# Altium PCB galileo_cleaned.PcbDoc (part 6 of 10)
Units mil, origin at the board's own origin, x right, y up, seen from the top; angles counter-clockwise.
Board outline 4205 x 2835.09 mil, 6 copper layers (TOP, PWR, LYR_1, LYR_2, GND, BOTTOM), stack 80.1 mil thick; 533 components, 432 nets, 2101 pads, 1155 vias.
Unrouted connection lines stored in the file: 669.
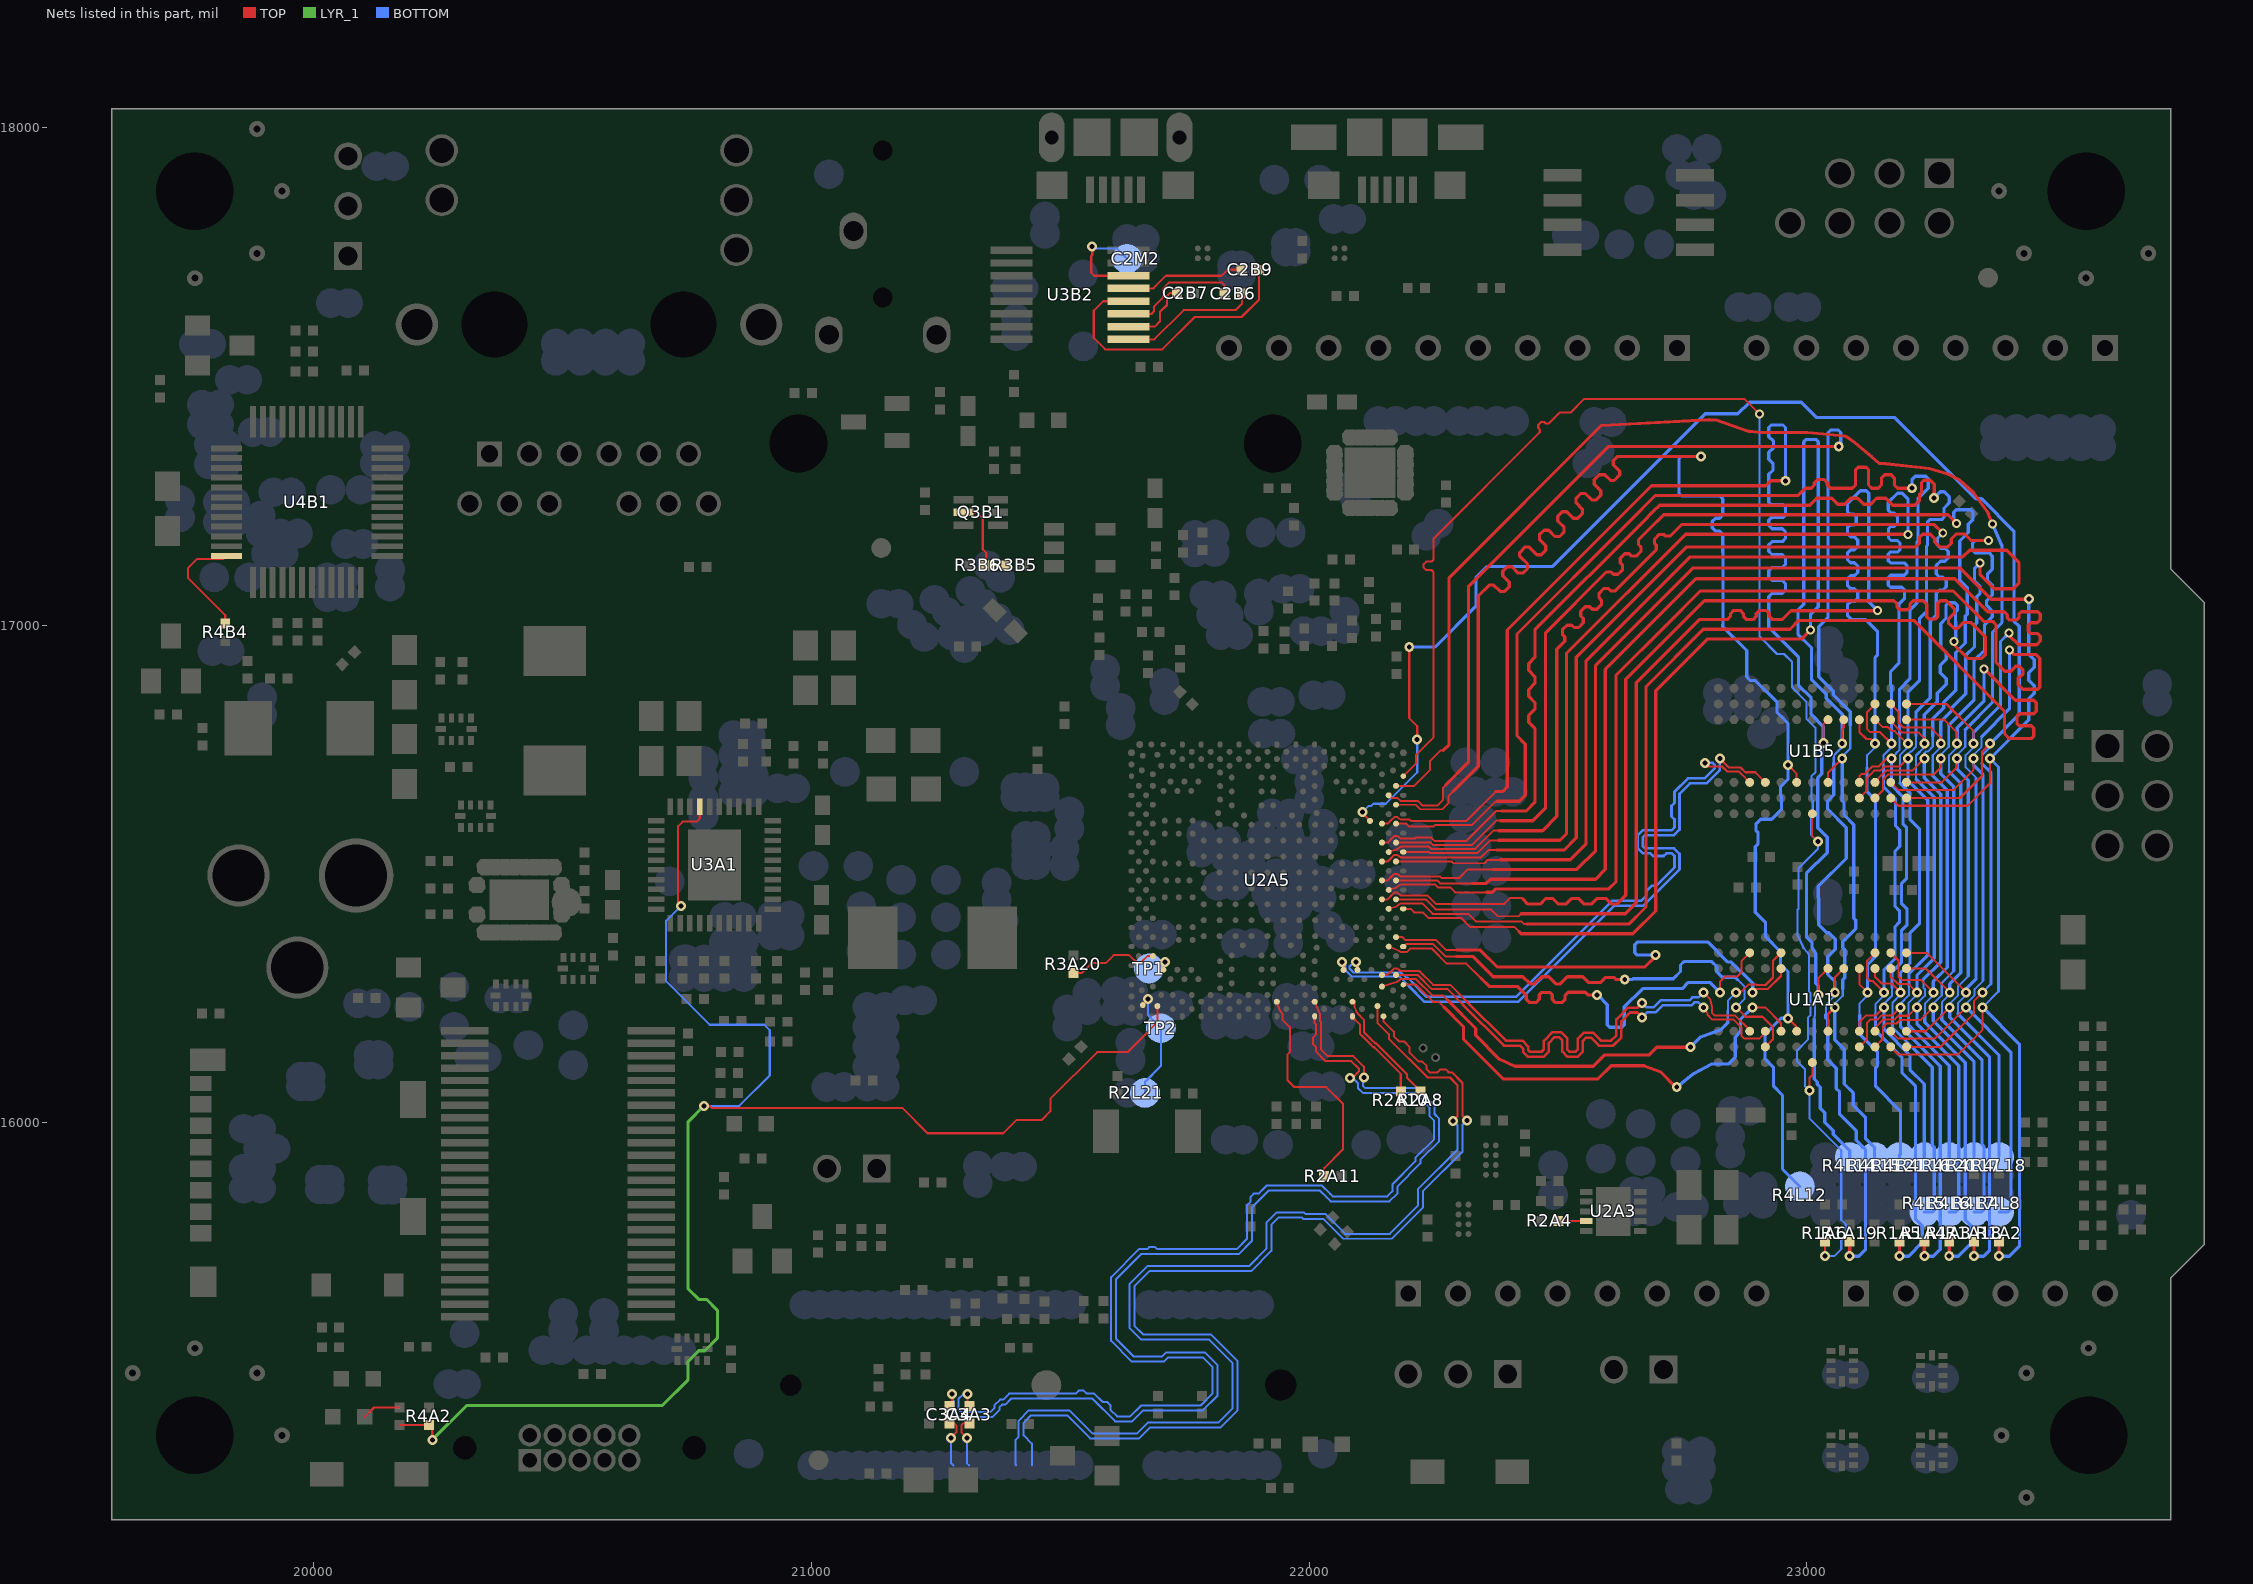
[diagram p10: the nets of this part, all layers, seen from the top]

## Via types
v1: diameter 20, hole 10, TOP to BOTTOM, 1096 vias
v2: diameter 18, hole 10, TOP to BOTTOM, 43 vias
v3: diameter 25, hole 25, TOP to BOTTOM, 16 vias

## Nets (pads, with @x,y where several pads share a name; then routed paths per layer and width w, separated by ;. In a path a pad name is that pad's centre, name@x,y a point inside that pad or via, vN(x,y) a via of type N, cw(c..) or ccw(c..) an arc to the next point about the centre after c; other vN are vias at no path point) (continued)
M_DQ<11>: U1A1.C8 U2A5.AP10 | length 998.9
  TOP w4: U2A5.AP10@22159.74,16353.97 22180.19,16345.57 22184.03,16342.97 22195.97,16342.97 22203,16350 22246.68,16350 22276.68,16320 22315.84,16320 22344.92,16290.92
  TOP w4.2: v1(22825,16262) 22825,16283 22836,16294 22860,16294 22869,16303 22869,16325.47 U1A1.C8@22885.02,16341.49
  TOP w6.5: 22344.92,16290.92 22361.84,16274 22418.12,16274 22436.22,16255.9 22436.22,16248 22442.72,16241.5 22455.72,16241.5 22462.22,16248 22462.22,16257 22467.22,16262 22483.22,16262 22488.22,16257 22488.22,16248 22494.72,16241.5 22507.72,16241.5 22514.22,16248 22514.22,16255.9 22520.72,16262.4 22554.34,16262.4 22559.74,16257 v1(22578,16257)
  BOTTOM w6.5: v1(22578,16257) 22579.4,16257 22599,16237.4 22599,16197 22604,16192 22628,16192 22633,16197 22633,16233 22669.75,16269.75 22749.75,16269.75 22762,16282 22805,16282 v1(22825,16262)
M_DQ<12>: U1A1.E3 U2A5.AT5 | length 1007.2
  TOP w4: U2A5.AT5@22189.07,16277.46 22214.54,16277.46 22249,16243 22260,16243 22271,16232
  TOP w4.2: v1(22891,16232) 22916.12,16232 22948.01,16200.11 U1A1.E3@22948.01,16184.01
  TOP w6.5: 22271,16232 22310,16193 22310,16167.58 22389.58,16088 22580,16088 22606.5,16114.5 22673,16114.5 22706,16102 22736.5,16071.5 v1(22738.5,16071.5)
  BOTTOM w6.5: v1(22738.5,16071.5) 22770.92,16098.02 22809,16118 22842,16118 22856,16132 22856,16172 22866.5,16182.5 22866.5,16207.5 v1(22891,16232)
M_DQ<13>: U1A1.E8 U2A5.AN5 | length 1020.5
  TOP w4: U2A5.AN5@22146.18,16273.62 22159.74,16277.96 22175.7,16282.91 22179.7,16286.11 22184.33,16288.96 22214.36,16288.96 22247.32,16256 22268,16256 22278,16246
  TOP w4.2: v1(22858,16262) 22867,16262 22883.1,16278.1 22897.67,16278.1 22898.87,16276.9 22916.9,16276.9 22932,16292 22932,16325.48 U1A1.E8@22948.01,16341.49
  TOP w6.5: 22278,16246 22334.5,16189.5 22334.5,16175.5 22382,16128 22414,16113.5 22570.5,16113.5 22593,16136 22682.49,16136 22698.49,16152 v1(22766,16152)
  BOTTOM w4.2: 22841,16203 22841,16225.23 22841.1,16225.33 22841.1,16245.1 v1(22858,16262)
  BOTTOM w6.5: v1(22766,16152) 22786.5,16172.5 22827,16187 22841,16201 22841,16203
M_DQ<14>: U1A1.D2 U2A5.AT10 | length 984.1
  TOP w4: U2A5.AT10@22189.07,16353.97 22194.1,16359 22249,16359 22274,16334 22295,16334
  TOP w4.2: v1(22858,16232) 22876.88,16213.12 22910.88,16213.12 22932,16192 22932,16168 U1A1.D2@22916.51,16152.51
  TOP w6.5: 22295,16334 22329.42,16334 22369.92,16293.5 22429.21,16293.5 22443.71,16279 22452.31,16279 22466.81,16293.5 22481.21,16293.5 22495.71,16279 22504.31,16279 22518.81,16293.5 22549.4,16293.5 22560.9,16282 22586,16282 22596,16292 22611.74,16292 22615.74,16288 v1(22634,16288)
  BOTTOM w4: v1(22858,16232) 22875,16249 22875,16273 22860,16288
  BOTTOM w6.5: v1(22634,16288) 22649.42,16288 22650.67,16289.25 22731.25,16289.25 22746,16304 22746,16317 22753,16324 22809,16324 22819,16314 22819,16303.5 22830,16292.5 22855.5,16292.5 22860,16288
M_DQ<15>: U1A1.E7 U2A5.AR11 | length 994.9
  TOP w4: U2A5.AR11@22174.41,16372.98 22187.41,16372.98 22193.39,16367 22255,16367 22275,16347 22296,16347
  TOP w4.2: v1(22891,16262) 22897.7,16268.7 22921.7,16268.7 22948.01,16295.01 U1A1.E7@22948.01,16309.99
  TOP w6.5: 22296,16347 22344,16347 22378,16313 22674,16313 22696,16335 v1(22696,16337)
  BOTTOM w6.5: v1(22696,16337) 22659,16337 22654,16342 22654,16358 22659,16363 22801.4,16363 22841.4,16323 22848.26,16323 22891,16280.26 v1(22891,16262)
M_DQS<0>: U1B5.C3 U2A5.AK7 | length 1358.7
  TOP w4.2: v1(22795,16723) 22792,16720 22796.1,16715.9 22829.5,16715.9 22839.6,16705.8 22863.24,16705.8 22869.04,16700 22884.52,16684.52 U1B5.C3@22885.02,16684.01
  TOP w5.3: v1(22094.2,16323) 22096.96,16320.24 U2A5.AK7@22096.96,16307.24
  BOTTOM w4: v1(22094.2,16323) 22090,16323 22081,16314 22081,16310 22089,16302 22184.32,16302 22194.74,16291.58 22197.58,16291.58 22207.08,16282.07
  BOTTOM w5.3: 22207.08,16282.07 22236.15,16253 22415.54,16253 22608.54,16446 22667,16446 22677,16456 22677,16465 22688,16476 22697,16476 22734,16513 22734,16536.21 22728.7,16541.51 22717.55,16541.51 22712.05,16536 22690.85,16536 22685.35,16541.51 22670.85,16541.51 22660,16552.36 22660,16577.16 22670.85,16588.01 22728.7,16588.01 22734,16593.31 22734,16609.61 22728,16615.61 22728,16636.81 22734,16642.81 22734,16665.15 22760.85,16692 22794,16692 22815,16713 22815,16718.45 22810.23,16723.22 22795.22,16723.22 v1(22795,16723)
M_DQS<1>: U1A1.C3 U2A5.AN6 | length 1021.3
  TOP w4: U2A5.AN6@22146.18,16296.96 22155.98,16296.96 22166.49,16306.01 22167.86,16307.06 22171.01,16310.22 22177.31,16310.22 22179.95,16307.82 22184.18,16304.96 22221,16304.96 22248.96,16277 22283.15,16277 22316.08,16244.07 ; v1(22792,16262) 22805,16249 22808.9,16234 22808.9,16221.1 22814.49,16215.51 22855.95,16215.51 22885.02,16186.44 U1A1.C3@22885.02,16184.01
  TOP w5.3: 22316.08,16244.07 22395.25,16164.9 22428.15,16164.9 22440,16153.05 22440,16146.15 22443.75,16142.4 22466.25,16142.4 22471.61,16147.76 22471.61,16164.54 22489.07,16182 22506.41,16182 22518.47,16169.94 22518.47,16147.15 22522.62,16143 22535.52,16143 22539.67,16147.15 22539.67,16168.94 22551.73,16181 22570.07,16181 22586.17,16164.9 22606.75,16164.9 22617,16175.15 22617,16207.65 22640.85,16231.5 22659.5,16231.5 v1(22669,16241)
  BOTTOM w5.3: v1(22669,16241) 22678,16232 22692,16232 22706,16246 22763.85,16246 22769.85,16252 22782,16252 v1(22792,16262)
M_DQS_N<0>: U1B5.D3 U2A5.AH7 | length 1360.5
  TOP w4.2: v1(22825,16732) 22843,16714 22866.64,16714 22876.32,16704.32 22896.2,16704.32 U1B5.D3@22916.51,16684.01
  TOP w5.3: v1(22066.2,16323) 22068.96,16320.24 U2A5.AH7@22068.96,16307.24
  BOTTOM w4: v1(22066.2,16323) 22073,16316.2 22073,16306 22085,16294 22181,16294 22200,16275
  BOTTOM w5.3: 22200,16275 22232,16243 22419.69,16243 22612.69,16436 22671.14,16436 22676.57,16441.43 ; 22676.58,16441.43 22744,16508.85 22744,16540.36 22732.85,16551.51 22675,16551.51 22670,16556.51 22670,16573.01 22675,16578.01 22732.85,16578.01 22744,16589.16 22744,16661 22765,16682 22798.15,16682 22825,16708.85 v1(22825,16732)
M_DQS_N<1>: U1A1.D3 U2A5.AR6 | length 1020
  TOP w4: U2A5.AR6@22174.41,16296.96 22181.03,16296.97 22217.68,16296.96 22245.64,16269 22277,16269 22309,16237 ; v1(22792,16232) 22792,16228.7 22800.7,16220 22800.7,16216.61 22810,16207.31 22852.69,16207.31 22869,16191 22869,16174 22874,16169 22904,16169 22916.51,16181.51 U1A1.D3@22916.51,16184.01
  TOP w5.3: 22309,16237 22391.1,16154.9 22424,16154.9 22430,16148.9 22430,16142 22439.6,16132.4 22470.4,16132.4 22481.61,16143.61 22481.61,16160.39 22493.22,16172 22502.26,16172 22508.47,16165.79 22508.47,16143 22518.47,16133 22539.67,16133 22549.67,16143 22549.67,16164.79 22555.88,16171 22565.92,16171 22582.02,16154.9 22610.9,16154.9 22627,16171 22627,16203.5 22645,16221.5 22659.5,16221.5 v1(22669,16212)
  BOTTOM w5.3: v1(22669,16212) 22679,16222 22696.15,16222 22710.15,16236 22768,16236 22774,16242 22782,16242 v1(22792,16232)
M_DRAMRST_N: U1A1.N2 U1B5.N2 U2A5.AL25 | length 3416.9
  TOP w4.2: v1(22107.2,16624.65) 22107.2,16621.65 U2A5.AL25@22122.2,16606.65 ; v1(22201,16956) 22201,16813 22217,16797 v1(22217,16770) ; U1A1.N2@23199.98,16152.51 23268.51,16152.51 23336.1,16220.1 23336.1,16245.1 v1(23353,16262) ; U1B5.N2@23199.98,16652.51 23307.51,16652.51 23351.9,16696.9 23351.9,16745.9 v1(23368,16762)
  BOTTOM w4.2: v1(22107.2,16624.65) 22119.3,16636.75 22124.98,16636.75 22129.23,16641 22154,16641 22217,16704 v1(22217,16770) ; 23351.9,16723 23351.9,16738.67 23368,16754.77 v1(23368,16762) ; v1(23353,16262) 23370,16279
  BOTTOM w6.5: v1(22201,16956) 22253,16956 22335,17038 22335,17095 22358,17118 22489,17118 22795.5,17424.5 22861.5,17424.5 22885,17448 22989,17448 23020,17417 23176.58,17417 23339.57,17254 23351,17254 23416,17189 23416,17008 23426.5,16997.5 23426.5,16820.5 v1(23368,16762) ; 23351.9,16723 23351.9,16721.1 23370,16703 23370,16279
M_MA<0>: R4L16.1 U1A1.K3 U1B5.K3 U2A5.AR24 | length 3357.3
  TOP w4: U2A5.AR24@22174.41,16601.02 22195,16601.02 22201.02,16595 22249.37,16595 22252.37,16598 22327,16598 22375,16646 22378,16646
  TOP w4.2: U1A1.K3@23105.49,16184.01 23105.49,16202.49 23118.9,16215.9 23138.9,16215.9 v1(23155,16232) ; U1B5.K3@23105.49,16684.01 23105.49,16696 23110.49,16701 23116.7,16701 23131.6,16715.9 23144.2,16715.9 23160.3,16732 v1(23170,16732)
  TOP w6.5: 22378,16646 22422,16646 22434,16658 22434,16761 22417.45,16777.55 22417.45,16982.11 22640.34,17205 22643.63,17208.3 22695.83,17260.5 22982.5,17260.5 22997,17275 23008.5,17275 23015,17281.5 23015,17286 23021.5,17292.5 23034.5,17292.5 23041,17286 23041,17281.5 23047.5,17275 23091.33,17275 23097.83,17281.5 23097.83,17312 23102.83,17317 23118.83,17317 23123.83,17312 23123.83,17281.5 23130.33,17275 23143.33,17275 23149.83,17281.5 23149.83,17295.5 23156.33,17302 23169.33,17302 23175.83,17295.5 23175.83,17281.5 23182.33,17275 v1(23211,17275)
  BOTTOM w4.2: v1(23155,16232) 23155,16239.23 23171.1,16255.33 23171.1,16271 ; v1(23170,16732) 23178.7,16740.7 23178.7,16742.07 23186.32,16749.69 23186.32,16778
  BOTTOM w6.5: v1(23155,16232) 23155,16188 23207,16136 23207,16107 23236,16078 R4L16.1@23236,15931 ; v1(23170,16732) 23170,16678 23193,16655 23193,16601 23200,16594 23200,16490 23190,16480 23190,16441 23201,16430 23201,16397 23190,16386 23190,16322 23171.1,16303.1 23171.1,16271 ; 23186.32,16778 23186.32,16871.32 23207,16892 23207,17030 23221,17044 23221,17167 23223,17169 23223,17254 23244,17275 23244,17294 23239,17299 23217.58,17299 23211,17292.42 v1(23211,17275)
M_MA<1>: R4L5.1 U1A1.L7 U1B5.L7 U2A5.AN22 | length 3528
  TOP w4: U2A5.AN22@22146.18,16563.02 22157.4,16563.02 22166.3,16571.92 22167.86,16573.13 22171.01,16576.28 22177.31,16576.28 22179.95,16573.88 22183.75,16571.08 22183.83,16571.02 22213,16571.02 22214.98,16573 22245.37,16573 22252.37,16566 22315,16566 22375.5,16626.5 22387,16626.5 ; U1B5.L7@23136.98,16809.99 23151.98,16794.99 23163.01,16794.99 23171,16787 23176.54,16787 23201.54,16762 v1(23203,16762)
  TOP w4.2: U1A1.L7@23136.98,16309.99 23136.98,16293.02 23150,16280 23170,16280 v1(23188,16262)
  TOP w6.5: 22387,16626.5 22436,16626.5 22453.5,16644 22453.5,16792.47 22441,16804.97 22441,16818.47 22453.5,16830.97 22453.5,16844.47 22441,16856.97 22441,16870.47 22453.5,16882.97 22453.5,16896.47 22441,16908.97 22441,16922.47 22453.5,16934.97 22453.5,16990.58 22668.92,17206 22692.49,17229.58 22703.91,17241 23006,17241 23020,17255 23049.87,17255 23061.87,17243 23075.87,17243 23087.87,17255 23101.87,17255 23113.87,17243 23127.87,17243 23139.87,17255 23158.74,17255 23172.74,17241 23217,17241 23226,17250 23226,17262.42 23230.5,17266.92 23230.5,17286.5 23235.1,17291.1 23247.9,17291.1 23256,17283 23256,17256 v1(23255,17255)
  BOTTOM w4: 23172,16217 23172,16241 23188,16257 v1(23188,16262)
  BOTTOM w4.2: 23186.9,16683.1 23186.9,16738.67 23203,16754.77 v1(23203,16762)
  BOTTOM w6.5: 23172,16217 23172,16191.4 23252,16111.4 23252,15955 23256,15951 23256,15824 23253,15821 R4L5.1@23236,15821 ; 23186.9,16683.1 23207,16663 23207,16610 23226,16591 23226,16400 23207,16381 23207,16320 23188,16301 v1(23188,16262) ; v1(23203,16762) 23203,16865 23226,16888 23226,17013 23240.5,17027.5 23240.5,17158.92 23242.5,17160.92 23242.5,17207.5 23247,17212 23271,17212 23275.5,17216.5 23275.5,17235.08 23286,17245.58 23286,17257.6 23275.6,17268 23268,17268 v1(23255,17255)
M_MA<2>: R4L6.1 U1A1.L3 U1B5.L3 U2A5.AR22 | length 3509.1
  TOP w4: U2A5.AR22@22174.41,16563.02 22237.72,16563.02 ; 22237.74,16563 22244.05,16563 22249.05,16558 22327,16558 22376,16607 22385,16607 ; U1B5.L3@23136.98,16685.47 23149.41,16697.9
  TOP w4.2: U1A1.L3@23136.98,16184.01 23136.98,16190.78 23153.9,16207.7 23176.7,16207.7 23184,16215 23204,16215 v1(23221,16232) ; U1B5.L3@23136.98,16684.01 U1B5.L3@23136.98,16685.47 ; 23149.41,16697.9 23159.21,16707.7 23211.7,16707.7 v1(23236,16732)
  TOP w6.5: 22385,16607 22449,16607 22475,16633 22475,16984.49 22597.26,17106.75 22606.46,17106.75 22611.26,17101.95 22620.46,17101.95 22629.65,17111.14 22629.65,17120.34 22624.85,17125.14 22624.85,17134.34 22634.04,17143.53 22643.24,17143.53 22648.04,17138.73 22657.24,17138.73 22666.43,17147.92 22666.43,17157.12 22661.63,17161.92 22661.63,17171.12 22682.71,17192.21 22711.99,17221.5 23283.5,17221.5 v2(23301,17204)
  BOTTOM w4.2: v1(23221,16232) 23221,16239.23 23237.1,16255.33 23237.1,16268.67 23234.15,16271.66 23234.15,16288 ; v1(23236,16732) 23236,16743 23238.9,16745.9 23242.67,16745.9 23252.9,16756.13 23252.9,16776
  BOTTOM w6.5: v1(23221,16232) 23221,16199 23305,16115 23305,15827 23299,15821 R4L6.1@23286,15821 ; 23234.15,16288 23269,16322.85 23269,16660 23236,16693 v1(23236,16732) ; 23252.9,16776 23252.9,16811.9 23275,16834 23275,16845 23299,16869 23299,16945 23318,16964 23318,17018 23322,17022 23322,17075.34 23307,17090.34 23307,17169 23324,17186 23324,17203 23334,17213 23334,17227 23329,17232 23300,17232 23295,17227 23295,17210 v2(23301,17204)
M_MA<3>: R1A4.1 U1A1.K2 U1B5.K2 U2A5.AP21 | length 3627.3
  TOP w4: U2A5.AP21@22159.74,16544.01 22175.7,16548.97 22179.7,16552.17 22184.33,16555.02 22234.4,16555.02 22240.73,16555 22245.73,16550 22333,16550 22370,16587 22381,16587
  TOP w4.2: U1A1.K2@23105.49,16152.51 23121,16168.02 23121,16201 23127.7,16207.7 23142.3,16207.7 23150.5,16215.9 23171.9,16215.9 v1(23188,16232) ; U1B5.K2@23105.49,16652.51 23121,16668.02 23121,16693.7 23135,16707.7 23147.6,16707.7 23154.79,16714.89 23156.74,16715.9 23186.9,16715.9 v1(23203,16732)
  TOP w6.5: 22381,16587 22469,16587 22497.5,16615.5 22497.5,16951.4 22513.64,16967.54 22513.64,16976.74 22508.84,16981.54 22508.84,16990.74 22518.03,16999.93 22527.23,16999.93 22532.03,16995.13 22541.23,16995.13 22550.42,17004.32 22550.42,17013.52 22545.62,17018.32 22545.62,17027.52 22554.81,17036.71 22564.01,17036.71 22568.81,17031.91 22578.01,17031.91 22587.2,17041.1 22587.2,17050.3 22582.4,17055.1 22582.4,17064.3 22591.59,17073.49 22600.79,17073.49 22605.59,17068.69 22614.79,17068.69 22697.32,17151.22 22697.32,17160.41 22693.96,17163.77 22693.96,17172.96 22703.15,17182.15 22712.34,17182.15 22715.7,17178.79 22724.89,17178.79 22748.1,17202 23256,17202 v2(23273,17185) ; v1(23236,15732) R1A4.1@23236,15761
  BOTTOM w4.2: v1(23188,16232) 23188,16239.23 23204.9,16256.13 23204.9,16275 ; v1@23203,16741 23207.9,16745.9 23209.67,16745.9 23219.1,16755.33 23219.1,16777
  BOTTOM w6.5: v1(23188,16232) 23188,16194 23268,16114 23268,15745.74 23254.26,15732 v1(23236,15732) ; v1@23203,16741 v1(23203,16732) 23203,16688 23243,16648 23243,16337 23204.9,16298.9 23204.9,16275 ; 23219.1,16777 23219.1,16825.1 23248,16854 23248,17007.42 23260,17019.42 23260,17063.97 23266.5,17070.47 23273.5,17070.47 23280,17076.97 23280,17089.97 23273.5,17096.47 23266.5,17096.47 23260,17102.97 23260,17119.92 23268.5,17128.42 23277.5,17128.42 23284,17134.92 23284,17147.92 23277.5,17154.42 23268.5,17154.42 23262,17160.92 23262,17174 v2(23273,17185)
M_MA<4>: R1A5.1 U1A1.L8 U1B5.L8 U2A5.AT21 | length 3658.8
  TOP w4: U2A5.AT21@22189.07,16544.01 22222.2,16544.08 22240.33,16544.08 22242.41,16542 22322.68,16542 22329.31,16541.99 22338,16542 22363.5,16567.5 22381,16567.5
  TOP w4.2: U1A1.L8@23136.98,16341.49 23121,16325.51 23121,16291 23127,16285 23132,16285 v1(23155,16262) ; U1B5.L8@23136.98,16841.49 23121,16825.51 23121,16791 23127,16785 23147,16785 v1(23170,16762)
  TOP w6.5: 22381,16567.5 22503.92,16567.5 22517,16580.58 22517,16943.32 22756.18,17182.5 23202.5,17182.5 v2(23203,17182) ; v1(23186,15732) R1A5.1@23186,15761
  BOTTOM w4: 23138,16218 23138,16239 23155,16256 v1(23155,16262)
  BOTTOM w4.2: 23153.9,16717 23153.9,16738.67 23170,16754.77 v1(23170,16762)
  BOTTOM w6.5: 23138,16218 23138,16185 23191,16132 23191,16101 23218,16074 23218,15807 23232,15793 23232,15759.74 23204.26,15732 v1(23186,15732) ; 23153.9,16717 23153.9,16675.1 23178,16651 23178,16596.65 23186.65,16588 23186.65,16555.65 23177,16546 23177,16435 23186,16426 23186,16403 23177,16394 23177,16330 23155,16308 v1(23155,16262) ; v1(23170,16762) 23170,16878 23168,16880 23168,16906 23185,16923 23185,17042.18 23196,17053.18 23196,17071 23191,17076 23168,17076 23163.5,17080.5 23163.5,17095.5 23168,17100 23196,17100 23201,17105 23201,17120 23196,17125 23168,17125 23163.5,17129.5 23163.5,17142.5 23168,17147 23183,17147 23187,17151 23187,17165 23182,17170 23169,17170 23164,17175 23164,17193.52 23169,17198.52 23175.5,17198.52 23182,17205.02 23182,17218.02 23175.5,17224.52 23170,17224.52 23163.5,17231.02 23163.5,17246.5 23182,17265 23192,17265 23203,17254 v2(23203,17182)
M_MA<5>: R4L17.1 U1A1.L2 U1B5.L2 U2A5.AN20 | length 3525.4
  TOP w4: U2A5.AN20@22146.18,16525.01 22157.4,16525.01 22166.3,16533.91 22167.86,16535.12 22171.01,16538.27 22177.31,16538.27 22179.95,16535.87 22183.75,16533.07 22183.83,16533.01 22345,16533.01 22359.99,16548 22377,16548
  TOP w4.2: U1A1.L2@23136.98,16152.51 23153,16168.53 23153,16192.8 23159.7,16199.5 23180.1,16199.5 23187.4,16206.8 23228.8,16206.8 v1(23254,16232) ; U1B5.L2@23136.98,16652.51 23153,16668.53 23153,16689.89 23162.61,16699.5 23254.5,16699.5 23269,16714 v1(23269,16732)
  TOP w6.5: 22377,16548 22512,16548 22536.5,16572.5 22536.5,16935.24 22758.26,17157 23219,17157 23226,17164 23226,17176 23232.5,17182.5 23247.92,17182.5 23257,17173.42 23257,17167 23267,17157 23283,17157 23290,17164 23290,17173 23300,17183 23317,17183 23330,17170 v2(23365,17170)
  BOTTOM w4.2: v1(23254,16232) 23254,16239.23 23270.9,16256.13 23270.9,16280.9 23295,16305 ; v1(23269,16732) 23269,16739.23 23285.1,16755.33 23285.1,16799.1
  BOTTOM w6.5: v1(23254,16232) 23254,16205 23336,16123 R4L17.1@23336,15931 ; v1(23269,16732) 23269,16701 23295,16675 23295,16305 ; 23285.1,16799.1 23336,16850 23336,16929 23357,16950 23357,17001 23372.5,17016.5 23372.5,17028 23361,17039.5 23361,17049 23372.5,17060.5 23372.5,17080 23363,17089.5 23363,17103 23372.5,17112.5 23372.5,17138.5 23366,17145 23338,17145 23333,17150 23333,17165 23338,17170 v2(23365,17170)
M_MA<6>: R1A3.1 U1A1.M8 U1B5.M8 U2A5.AR20 | length 3757
  TOP w4: U2A5.AR20@22174.41,16525.01 22286,16525.01 22289.52,16521.49 22352.17,16521.49 22359.18,16528.5 22385,16528.5
  TOP w4.2: U1A1.M8@23168.48,16341.49 23184,16325.97 23184,16294 23190.8,16287.2 23228.8,16287.2 v1(23254,16262) ; U1B5.M8@23168.48,16841.49 23184,16825.97 23184,16804 23194,16794 23249,16794 23269,16774 v1(23269,16762)
  TOP w6.5: 22385,16528.5 22524.5,16528.5 22556,16560 22556,16927.16 22765.84,17137 23313.5,17137 23327,17150.5 23401.5,17150.5 23426,17126 23426,17084 23415,17073 23376.58,17073 23348,17101.58 v2(23348,17125) ; v1(23286,15732) R1A3.1@23286,15761
  BOTTOM w4: 23237,16215 23237,16239 23254,16256 v1(23254,16262)
  BOTTOM w4.2: 23252.9,16697.1 23252.9,16738.67 23269,16754.77 v1(23269,16762)
  BOTTOM w6.5: 23237,16215 23237,16202 23318,16121 23318,15805 23329,15794 23329,15756.74 23304.26,15732 v1(23286,15732) ; 23252.9,16697.1 23282,16668 23282,16312 23254,16284 v1(23254,16262) ; v1(23269,16762) 23269,16806 23291,16828 23291,16834 23319,16862 23319,16939 23337,16957 23337,17000 23341.5,17004.5 23341.5,17057.08 23348,17063.58 23348,17076.92 23337,17087.92 23337,17114 v2(23348,17125)
M_MA<7>: R1A2.1 U1A1.M2 U1B5.M2 U2A5.AN17 | length 3821.7
  TOP w4: U2A5.AN17@22146.18,16487 22157.4,16487 22166.3,16495.9 22167.86,16497.11 22171.01,16500.26 22177.31,16500.26 22179.95,16497.86 22183.75,16495.06 22183.83,16495 22262.37,16495 22265.37,16492 22302,16492 22319,16509 22370,16509
  TOP w4.2: U1A1.M2@23168.48,16152.51 23183.99,16137 23303,16137 23353,16187 v1(23353,16232) ; U1B5.M2@23168.48,16652.51 23183.99,16637 23323,16637 23368,16682 v1(23368,16732)
  TOP w6.5: 22370,16509 22538,16509 22575.5,16546.5 22575.5,16919.08 22771.42,17115 23307,17115 23370,17052 v1(23446,17052) ; v1(23386,15732) R1A2.1@23386,15761
  BOTTOM w4.2: v1(23353,16232) 23385,16264 ; v1(23368,16732) 23385,16715
  BOTTOM w6.5: v1(23353,16232) 23427,16158 23427,15752 23407,15732 v1(23386,15732) ; v1(23368,16732) 23446,16810 23446,16852.18 23457,16863.18 23457,16878.18 23446,16889.18 23446,16904.18 23457,16915.18 23457,16930.18 23446,16941.18 v1(23446,17052) ; 23385,16264 23385,16715
M_MA<8>: R4L18.1 U1A1.N8 U1B5.N8 U2A5.AR17 | length 3486.8
  TOP w4: U2A5.AR17@22174.41,16487 22257,16487 22263,16481 22327,16481
  TOP w4.2: U1A1.N8@23199.98,16341.49 23240.51,16341.49 v1(23320,16262) ; U1B5.N8@23199.98,16841.49 23280.51,16841.49 23335,16787 v1(23335,16762)
  TOP w6.5: 22327,16481 22356,16481 22364.5,16489.5 22575.5,16489.5 22595,16509 22595,16911 22777,17093 23297,17093 23363,17027 23396.16,17027 23402.66,17020.5 23402.66,17015 23407.66,17010 23421,17010 23426,17015 23426,17022 23431,17027 23464,17027 23469,17022 23469,17011 23462.6,17004.6 23450,17004.6 23445,16999.6 23445,16988 23450,16983 23464,16983 23469,16978 23469,16968 23461.5,16960.5 23425.5,16960.5 23406,16980 v2(23406,16984)
  BOTTOM w4: 23304,16220 23304,16241 23320,16257 v1(23320,16262)
  BOTTOM w4.2: v1(23335,16762) 23335,16754.77 23318.9,16738.67 23318.9,16714.1 23340,16693
  BOTTOM w6.5: 23304,16220 23304,16218 23386,16136 R4L18.1@23386,15931 ; v1(23320,16262) 23320,16269 23340,16289 23340,16693 ; v1(23335,16762) 23335,16785 23389,16839 23389,16967 v2(23406,16984)
M_MA<9>: R4L8.1 U1A1.M3 U1B5.M3 U2A5.AP16 | length 3740
  TOP w4: U2A5.AP16@22159.74,16468 22175.7,16472.95 22179.7,16476.15 22184.33,16479 22252.37,16479 22258.37,16473 22283,16473 22293,16463 22356,16463
  TOP w4.2: U1A1.M3@23168.48,16184.01 23183.49,16169 23193.63,16169 23193.72,16168.91 23206.24,16168.91 23206.33,16169 23257,16169 v1(23320,16232) ; U1B5.M3@23168.48,16684.01 23183.49,16669 23193.63,16669 23193.72,16668.91 23206.24,16668.91 23206.33,16669 23295,16669 23335,16709 v1(23335,16732)
  TOP w6.5: 22356,16463 22367.5,16463 22374.5,16470 22602,16470 22616.5,16484.5 22616.5,16899.08 22716.22,16998.8 22785.91,17068.5 23293.92,17068.5 23354.92,17007.5 23373.5,17007.5 23380,17001 23380,16925 23397.5,16907.5 23409.5,16907.5 23419.46,16917.46 23426.54,16917.46 23434.46,16909.54 23434.46,16902.46 23424,16892 23424,16881 23434,16871 23464,16871 23468,16875 23468,16933 23460,16941 23416,16941 v2(23407,16950)
  BOTTOM w4.2: v1(23320,16232) 23320,16239 23336.9,16255.9 23336.9,16268.67 23354,16285.77 ; v1(23335,16732) 23335,16739.23 23351.1,16755.33 23351.1,16776.1
  BOTTOM w6.5: v1(23320,16232) 23410,16142 23410,15826.74 23404.26,15821 R4L8.1@23386,15821 ; v1(23335,16732) 23335,16718 23354,16699 23354,16285.77 ; 23351.1,16776.1 23407,16832 v2(23407,16950)
M_MA<10>: R4L14.1 U1A1.H7 U1B5.H7 U2A5.AN24 | length 3354
  TOP w4: U2A5.AN24@22146.18,16601.02 22157.4,16601.02 22166.3,16609.92 22167.86,16611.13 22171.01,16614.28 22177.31,16614.28 22179.95,16611.88 22183.75,16609.08 22183.83,16609.02 22202,16609.02 22205.02,16606 22315,16606 22374.5,16665.5
  TOP w4.2: v1(23023,16257) 23023,16290.49 U1A1.H7@23042.5,16309.99 ; v1(23033,16763) 23033,16800.49 U1B5.H7@23042.5,16809.99
  TOP w6.5: 22374.5,16665.5 22388.5,16665.5 22397.95,16674.95 22397.95,16990.2 22687.75,17280 22917,17280 22927,17290 v1(22957,17290)
  BOTTOM w4: 23015,16208 23015,16214 23016,16215 23016,16242 23023,16249 v1(23023,16257)
  BOTTOM w6.5: v1(22957,17290) 22957,17397 22952,17402 22928.35,17402 22923.35,17397 22923.35,17378.65 22933,17369 22933,17356.65 22923.35,17347 22923.35,17333 22932,17324.35 22932,17311.65 22923.35,17303 22923.35,17247 22928.35,17242 22952,17242 22957,17237 22957,17221 22952,17216 22928.35,17216 22923.35,17211 22923.35,17200.3 22929.85,17193.8 22950.5,17193.8 22957,17187.3 22957,17174.3 22950.5,17167.8 22929.85,17167.8 22923.35,17161.3 22923.35,17148.3 22929.85,17141.8 22950.5,17141.8 22957,17135.3 22957,17122.3 22950.5,17115.8 22929.85,17115.8 22923.35,17109.3 22923.35,17096.3 22929.85,17089.8 22950.5,17089.8 22957,17083.3 22957,17070.3 22950.5,17063.8 22929.85,17063.8 22923.35,17057.3 22923.35,16995.65 22983,16936 22983,16879.5 23008.35,16854.15 23008.35,16820.65 23033,16796 v1(23033,16763) 23030,16760 23030,16701 23022,16693 23022,16593 23041,16574 23041,16543 22999,16501 22999,16373.5 23010.5,16362 23010.5,16352 23017.75,16340.25 23017.75,16280.51 23023,16275.26 v1(23023,16257) ; 23015,16208 23015,16088 23021,16082 23021,16077 23027,16071 23027,16029 23036,16020 23036,16001 23053,15984 23053,15977 23086,15944 R4L14.1@23086,15931
M_MA<11>: R4L20.1 U1A1.M7 U1B5.M7 U2A5.AN15 | length 3553.2
  TOP w4: U2A5.AN15@22146.18,16448.99 22157.4,16448.99 22166.3,16457.89 22167.86,16459.1 22171.01,16462.25 22177.31,16462.25 22179.95,16459.85 22183.75,16457.05 22183.83,16456.99 22237.32,16456.99 22254.31,16440 22392,16440 22404,16452 22427,16452 22430,16449
  TOP w4.2: U1A1.M7@23168.48,16309.99 23168.48,16293.52 23183,16279 23204,16279 v1(23221,16262) ; U1B5.M7@23168.48,16809.99 23168.48,16806.52 23191,16784 23225,16784 23236,16773 v1(23236,16762)
  TOP w6.5: 22430,16449 22439.5,16439.5 22463.84,16439.5 22474.84,16450.5 22489.84,16450.5 22500.84,16439.5 22515.84,16439.5 22526.84,16450.5 22541.84,16450.5 22552.84,16439.5 22567,16439.5 22578,16450.5 22597,16450.5 22608,16439.5 22618,16439.5 22636,16457.5 22636,16891 22794,17049 23174.75,17049 23181.25,17042.5 23181.25,17036 23186.25,17031 23202.25,17031 23207.25,17036 23207.25,17042.5 23213.75,17049 23234.06,17049 23241,17042.06 23241,17017 23246,17012 23258,17012 23263,17017 23263,17044 23268,17049 23280.42,17049 23296.38,17033.04 23296.38,17023.85 23284.3,17011.77 23284.3,17004.7 23295.62,16993.38 23302.69,16993.38 23314.76,17005.46 23329.38,17005.46 23359,16975.84 23359,16941 23351,16933 23323,16933 23296,16960 v2(23296,16967)
  BOTTOM w4: 23204,16215 23204,16240 23221,16257 v1(23221,16262)
  BOTTOM w4.2: 23219.1,16690.9 23219.1,16737.87 23236,16754.77 v1(23236,16762)
  BOTTOM w6.5: 23204,16215 23204,16197 23286,16115 R4L20.1@23286,15931 ; 23219.1,16690.9 23256,16654 23256,16331 23221,16296 v1(23221,16262) ; v1(23236,16762) 23236,16820 23262,16846 23262,16863 23280,16881 23280,16892 23268,16904 23268,16919 23280,16931 23280,16945 23269,16956 23269,17003 23279.5,17013.5 23279.5,17040 23284.5,17045 23297.5,17045 23302.5,17040 23302.5,17030.08 23298.5,17026.08 23298.5,17006.92 23299.21,17006.21 23299,17006 23299,16970 v2(23296,16967)
M_MA<12>: R4L21.1 U1A1.K7 U1B5.K7 U2A5.AR15 | length 3480.7
  TOP w4: U2A5.AR15@22174.41,16448.99 22234,16448.99 22253.99,16429 22365,16429 22379,16415 22421,16415 22426,16420
  TOP w4.2: U1A1.K7@23105.49,16309.99 23105.49,16278.51 v1(23122,16262) ; U1B5.K7@23105.49,16809.99 23105.49,16785.31 23119.78,16771.02 23127.98,16771.02 v1(23137,16762)
  TOP w6.5: 22426,16420 22635.45,16420 22657.15,16441.7 22657.15,16884.56 22783.6,17011.01 22800,17011.01 22839.97,17011 22846.47,17017.5 22846.47,17023 22852.97,17029.5 22865.97,17029.5 22872.47,17023 22872.47,17017.5 22878.97,17011 22891.97,17011 22898.47,17017.5 22898.47,17023 22904.97,17029.5 22917.97,17029.5 22924.47,17023 22924.47,17017.5 22930.97,17011 22950,17011 22968,17029 v2(23142,17029)
  BOTTOM w4: 23106,16216 23106,16240 23122,16256 v1(23122,16262)
  BOTTOM w4.2: 23120.9,16714 23120.9,16738.67 23137,16754.77 v1(23137,16762)
  BOTTOM w6.5: 23106,16216 23106,16178 23142,16142 23142,16115 23138,16111 23138,16073 23188,16023 23188,15937 23186,15935 R4L21.1@23186,15931 ; 23120.9,16714 23120.9,16665.1 23137.73,16648.27 23137.73,16333.73 23122,16318 v1(23122,16262) ; v1(23137,16762) 23137,16935 23142,16940 23142,16987 23118,17011 23090,17011 23081.5,17019.5 23081.5,17040.76 23088,17047.26 23095.5,17047.26 23102,17053.76 23102,17066.76 23095.5,17073.26 23088,17073.26 23081.5,17079.76 23081.5,17092.76 23088,17099.26 23095.5,17099.26 23102,17105.76 23102,17118.76 23095.5,17125.26 23088,17125.26 23081.5,17131.76 23081.5,17144.76 23088,17151.26 23095.5,17151.26 23102,17157.76 23102,17170.76 23095.5,17177.26 23088,17177.26 23081.5,17183.76 23081.5,17196 23086.5,17201 23094,17201 23099,17206 23099,17218 23094,17223 23086.5,17223 23081.5,17228 23081.5,17243.92 23107.58,17270 23119.5,17270 23124.5,17265 23124.5,17046.5 v2(23142,17029)
M_MA<13>: R1A18.1 U1A1.N3 U1B5.N3 U2A5.AR29 | length 3641.6
  TOP w4: U2A5.AR29@22174.41,16677.04 22211.04,16677.04 22243,16709 22243,16727 22264.52,16748.52 22269.48,16748.52
  TOP w4.2: U1A1.N3@23199.98,16184.01 23239.01,16184.01 v1(23287,16232) ; U1B5.N3@23199.98,16684.01 23271.11,16684.01 23302,16714.9 v1(23302,16732)
  TOP w6.5: 22269.48,16748.52 22280.95,16759.99 22280.95,17094.95 22587,17401 22803.75,17412.75 22818,17412 22883.16,17389.38 22908,17387 23001,17387 23075.44,17380.06 23080.25,17377.75 23096.62,17366.38 23125.5,17342.5 23130,17338 23145,17325 23159,17324 23246.08,17314.64 23283.3,17303.32 23307.25,17291.17 23335.22,17265.42 23364.19,17224.94 v2(23373,17203) ; v1(23336,15732) R1A18.1@23336,15761
  BOTTOM w4.2: v1(23287,16232) 23287,16239.23 23303.9,16256.13 23303.9,16274.6 23324,16294.7 ; v1(23302,16732) 23302,16739.23 23318.1,16755.33 23318.1,16790.1
  BOTTOM w6.5: v1(23287,16232) 23287,16212 23367,16132 23367,15744 23355,15732 v1(23336,15732) ; v1(23302,16732) 23302,16710 23324,16688 23324,16294.7 ; 23318.1,16790.1 23373,16845 23373,16986 23392,17005 23392,17159 v2(23373,17203)
M_MA<14>: R4L7.1 U1A1.N7 U1B5.N7 U2A5.AP14 | length 3656
  TOP w4: U2A5.AP14@22159.74,16429.99 22175.7,16434.94 22179.7,16438.14 22184.33,16440.99 22227.01,16440.99 22248,16420 22320,16420 22336,16404 22427,16404 22431.75,16399.25 22436.75,16399.25
  TOP w4.2: U1A1.N7@23199.98,16309.99 23239.01,16309.99 v1(23287,16262) ; U1B5.N7@23199.98,16809.99 23276.01,16809.99 23302,16784 v1(23302,16762)
  TOP w6.5: 22436.75,16399.25 22642.28,16399.25 22676.65,16433.62 22676.65,16876.47 22791.68,16991.5 22966,16991.5 22984,17009.5 23214.5,17009.5 23397,16827 23397,16782 23407,16772 23451,16772 23456,16777 23456,16793 23451,16798 23427,16798 23422,16803 23422,16817 23427,16822 23456,16822 23461,16827 23461,16844 23456,16849 23419,16849 v2(23356,16912)
  BOTTOM w4: 23271,16217 23271,16242 23287,16258 v1(23287,16262)
  BOTTOM w4.2: 23285.9,16705.1 23285.9,16738.67 23302,16754.77 v1(23302,16762)
  BOTTOM w6.5: 23271,16217 23271,16207 23352,16126 23352,15956 23356,15952 23356,15826 23351,15821 R4L7.1@23336,15821 ; 23285.9,16705.1 23309,16682 23309,16301.1 23287,16279.1 v1(23287,16262) ; v1(23302,16762) 23302,16794.1 23356,16848.1 v2(23356,16912)
M_MA<15>: R1A19.1 U1A1.J7 U1B5.J7 U2A5.AT14 | length 3724.7
  TOP w4: U2A5.AT14@22189.07,16429.99 22204.01,16429.99 22211,16423 22228.3,16423 22240.3,16411 22306,16411 22324,16393 22413,16393 22422,16384 ; v1(23071,16762) 23071,16790.9 23073.99,16793.89
  TOP w4.2: v1(23056,16262) 23056,16292 U1A1.J7@23073.99,16309.99 ; 23073.99,16793.89 U1B5.J7@23073.99,16809.99
  TOP w6.5: 22422,16384 22426.25,16379.75 22650.36,16379.75 22696.15,16425.54 22696.15,16868.15 22800,16972 22989,16972 v2(23007,16990) ; v1(23086,15732) R1A19.1@23086,15761
  BOTTOM w4: 23038,16217 23038,16237 23056,16255 v1(23056,16262)
  BOTTOM w4.2: 23054,16723 23054,16738 23071,16755 v1(23071,16762)
  BOTTOM w6.5: v2(23007,16990) 23007,17021 23023,17037 23023,17368 23018,17373 22998.7,17373 22993.7,17368 22993.7,17042 22982,17030.3 22982,16982 23009,16955 23009,16891 23039,16861 23039,16853 23071,16821 v1(23071,16762) ; 23038,16217 23038,16211 23042,16207 23042,16143.5 23041.99,16130.03 ; 23042,16130.02 23042,16127 23059,16110 23059,16068.65 23065.65,16062 23065.65,16017.35 23099.25,15983.75 23099.25,15964.75 23118,15946 23118,15745.74 23104.26,15732 v1(23086,15732) ; 23054,16723 23054,16659 23041.35,16646.35 23041.35,16630.65 23079,16593 23079,16531 23022.85,16474.85 23022.85,16452.22 23024,16451.07 23024,16397.6 23039.85,16381.75 23044.25,16381.75 23057,16369 23057,16348.8 23042,16333.8 23042,16298 23056,16284 v1(23056,16262)
M_ODT<0>: R1A6.1 U1A1.G1 U1B5.G1 U2A5.AT31 | length 3343.2
  TOP w4.2: U2A5.AT31@22189.07,16696.54 22214.77,16722.24 22214.77,16739.77 22250,16775 22250,17106.49 22245.8,17110.69 22234.92,17110.69 22230,17115.61 22230,17122.57 22234.92,17127.49 22245.8,17127.49 22250,17131.69 22250,17174 22463.23,17387.23 22463.23,17393.17 22460.17,17396.23 22460.17,17402.17 22466.11,17408.11 22472.05,17408.11 22475.11,17405.05 22481.05,17405.05 22503,17427 22525,17427 22552,17454 22875,17454 v2(22905,17424) ; v1(23005,16065) 23005,16090 23011,16096 U1A1.G1@23011,16121.02 ; U1B5.G1@23011,16621.02 23011,16613 23010,16612 23010,16577 v1(23022,16565) ; v1(23036,15732) R1A6.1@23036,15761
  BOTTOM w4.2: v2(22905,17424) 22905,16977 22940,16942 22954,16942 22970,16926 22970,16875 22999,16846 22999,16812 23016.9,16794.1 23016.9,16703.9 23009,16696 23009,16649.8 23011.8,16647 23011.8,16623 23008,16619.2 23008,16579 v1(23022,16565) 23022,16550 22983,16511 22983,16429.5 22981,16427.5 22981,16377 22992.75,16351.61 23001.88,16341.38 23004,16336 23004,16263.9 23006.9,16261 23006.9,16216.1 23002,16211.2 23002,16167 22980,16145 22980,16124 22996,16108 22996,16074 v1(23005,16065) 23005,16009 23069,15945 23069,15805 23078,15796 23078,15772 23069,15763 23069,15746 23055,15732 v1(23036,15732)
M_RAS_N: R4L12.1 U1A1.F3 U1B5.F3 U2A5.AR27 | length 3333.2
  TOP w4: U2A5.AR27@22174.41,16639.03 22214,16639.03 22223.03,16630 22267.16,16630 22280.08,16642.92 22280.08,16656.92 22289.58,16666.42 ; v1(22962,16210) U1A1.F3@22979.5,16192.5 ; v1(22962,16719) 22979.5,16701.5
  TOP w4.2: U1A1.F3@22979.5,16184.01 U1A1.F3@22979.5,16192.5 ; U1B5.F3@22979.5,16684.01 22979.5,16701.5
  TOP w6.5: 22289.58,16666.42 22339.45,16716.29 22339.45,17058.45 22361.47,17080.47 22370.67,17080.47 22383.46,17067.68 22392.66,17067.68 22401.85,17076.87 22401.85,17086.07 22389.06,17098.86 22389.06,17108.06 22398.25,17117.25 22407.45,17117.25 22420.24,17104.46 22429.44,17104.46 22438.63,17113.65 22438.63,17122.85 22422.78,17138.7 22422.78,17145.78 22434.09,17157.09 22441.17,17157.09 22457.02,17141.24 22466.22,17141.24 22475.41,17150.43 22475.41,17159.63 22462.62,17172.42 22462.62,17181.62 22471.81,17190.81 22481.01,17190.81 22493.8,17178.02 22503,17178.02 22512.19,17187.21 22512.19,17196.41 22499.4,17209.2 22499.4,17218.4 22508.59,17227.59 22517.79,17227.59 22530.58,17214.8 22539.78,17214.8 22548.97,17223.99 22548.97,17233.19 22536.18,17245.98 22536.18,17255.18 22545.37,17264.37 22554.57,17264.37 22567.36,17251.58 22576.56,17251.58 22585.75,17260.77 22585.75,17269.97 22572.96,17282.76 22572.96,17291.96 22583,17302 22594,17302 22605.46,17290.54 22612.54,17290.54 22623.96,17301.96 22623.96,17309.04 22611,17322 22611,17330 22620,17339 v1(22787,17339)
  BOTTOM w6.5: v1(22787,17339) 22748,17339 22743,17334 22743,17264.5 22748,17259.5 22825,17259.5 22831,17253.5 22831,17221.32 22824.5,17214.82 22816.5,17214.82 22810,17208.32 22810,17195.32 22816.5,17188.82 22824.5,17188.82 22831,17182.32 22831,17146.04 22831.52,17145.52 22831.52,17001.8 22831,17001.28 22831,16997 22879,16949 22879,16896 22886.25,16888.75 22896.25,16888.75 22940,16845 22940,16824.4 22962,16802.4 v1(22962,16719) 22962,16690 22947,16675 22947,16658 22949,16656 22949,16630 22929,16610 22907,16610 22898,16601 22898,16587 22902,16583 22902,16561 22896,16555 22896,16423 22917,16402 22917,16374 22947,16344 22947,16319 22962,16304 v1(22962,16210) 22948,16210 22916,16178 22916,16128 22933,16111 22933,16073 22951,16055 22951,15907 R4L12.1@22986,15872
M_WE_N: R4L15.1 U1A1.H3 U1B5.H3 U2A5.AP28 | length 3166.2
  TOP w4: U2A5.AP28@22159.74,16658.03 22165.49,16652.29 22177.31,16652.29 22179.95,16649.89 22183.75,16647.09 22183.83,16647.03 22218,16647.03 22227.03,16638 22258,16638 22269,16649 22269,16673.42 22274.29,16678.71
  TOP w4.2: U1A1.H3@23042.5,16184.01 23042.5,16218.5 v1(23056,16232) ; U1B5.H3@23042.5,16684.01 23042.5,16703.5 v1(23071,16732)
  TOP w6.5: 22274.29,16678.71 22319.95,16724.37 22319.95,17076.95 22602,17359 v1(23064,17359)
  BOTTOM w4.2: v1(23056,16232) 23056,16239.23 23072.1,16255.33 23072.1,16268.67 23072,16268.77 ; v1@23071,16736 23087.1,16752.1 23087.1,16799
  BOTTOM w6.5: v1(23056,16232) 23056,16167 23075,16148 23075,16078 23093,16060 23093,16035 23118,16010 23118,15968 23136,15950 R4L15.1@23136,15931 ; v1(23064,17359) 23068,17363 23068,17387 23063,17392 23047.5,17392 23042.5,17387 23042.5,17015.5 23024,16997 23024,16896 23053,16867 23053,16860 23087.1,16825.9 23087.1,16799 ; v1@23071,16736 v1(23071,16732) 23071,16646.99 23074.49,16643.5 23074.49,16618.51 23094,16599 23094,16411.4 23098.25,16407.15 23098.25,16390.25 23072,16364 23072,16352 23076,16348 23076,16291 23072,16287 23072,16268.77
MAX3232_C1_MIN: C2B6.1 U3B2.3 | length 254.5
  TOP w4.2: U3B2.3@21637,17625.2 21683.2,17625.2 21688,17630 21688,17640 21706,17658 21706,17676 21718,17688 21825.1,17688 21830,17683.1 C2B6.1@21830,17666
MAX3232_C1_PLUS: C2B6.2 U3B2.1 | length 277.8
  TOP w4.2: U3B2.1@21637,17574 21689,17574 21748,17633 21852,17633 21865,17646 C2B6.2@21865,17666
MAX3232_C2_MIN: C2B9.1 U3B2.5 | length 242.8
  TOP w4.2: U3B2.5@21637,17676.4 21686.6,17676.4 21691.79,17681.59 21691.79,17681.88 21711.91,17702 21789.23,17702 21789.33,17701.9 21802.67,17701.9 21802.77,17702 21824.09,17702 21836.09,17714 C2B9.1@21864,17714
MAX3232_C2_PLUS: C2B9.2 U3B2.4 | length 575.7
  TOP w4.2: U3B2.4@21637,17650.8 21585.8,17650.8 21567,17632 21567,17577 21590,17554 21705,17554 21770,17619 21864,17619 21899,17654 C2B9.2@21899,17714
MAX3232_VMINUS: C2M2.1 U3B2.6 | length 211.7
  TOP w4.2: v1(21564,17761) 21564,17743.9 21562,17741.9 21562,17708 21568,17702 U3B2.6@21637,17702
  BOTTOM w4.2: v1(21564,17761) 21568,17757 21613,17757 C2M2.1@21634,17736
MAX3232_VPLUS: C2B7.1 U3B2.2 | length 146.6
  TOP w4.2: U3B2.2@21637,17599.6 21689.6,17599.6 21700,17610 21700,17629 21714.2,17643.2 21714.2,17661.2 21720,17667 C2B7.1@21734,17667
MON_V1P5_S5: Q3B1.2 R3B5.1 R3B6.2 | length 181.3
  TOP w4.2: Q3B1.2@21305,17226.4 21332.1,17226.4 21344,17214.5 21344,17152 21351,17145 R3B6.2@21351,17120 R3B5.1@21391,17120
OSC_COMP: R2A11.2 U2A5.W3 | length 460.8
  TOP w4: U2A5.W3@21935,16243.26 21936.66,16237.94 21939.96,16227.3 21943.16,16223.3 21946.01,16218.67 21946.01,16207 21961,16192.01 21961,16142 21956,16137
  TOP w4.2: 21956,16137 21956,16086 21970.5,16071.5 22034.5,16071.5 22068,16038 22068,15947 22030,15909 R2A11.2@22030,15893
PCIE0_RX0_N: U2A5.AN1 | length 2228.9
  TOP w4: U2A5.AN1@22149.19,16213.93 22149.19,16203.81 22170,16183 22170,16174.24 22180.91,16163.33 22190.67,16163.33 22201.99,16152.01 22201.99,16141.15 22220.43,16122.71 22223.86,16122.71 22227.29,16122.71 22235.78,16114.23 22235.78,16110.8 22235.78,16107.37 22242.14,16101 22257.03,16101 22262.93,16106.9 22274.93,16106.9 22280.83,16101 22287,16101 22308,16080 22308,16014 v1(22317,16005)
  BOTTOM w4: 21442.55,15311.58 21442.55,15355.45 21426,15372 21426,15397 21441,15412 21514,15412 21560,15366 21658.4,15366 21680.4,15388 21822,15388 21856,15422 21856,15521.15 21802.15,15575 21666,15575 21648.8,15592.2 21648.8,15671.8 21679,15702 21883.15,15702 21924,15742.85 21924,15795 21939,15810 21985,15810 21988.01,15806.99 22028,15806.99 22067.99,15767 22166.15,15767 22229,15829.85 22229,15863.01 22308,15942.01 22308,15996 v1(22317,16005)
PCIE0_RX0_P: U2A5.AM2 | length 2231.8
  TOP w4: U2A5.AM2@22137.12,16234.52 22137.12,16201.11 22160,16178.23 22160,16169 22238,16091 22282.86,16091 22298,16075.86 22298,16013 v1(22289,16004)
  BOTTOM w4: 21411.06,15311.58 21410,15312.64 21410,15363 21416,15369 21416,15401.14 21436.86,15422 21518.14,15422 21564.14,15376 21654.26,15376 21676.26,15398 21817.85,15398 21846,15426.15 21846,15517 21798,15565 21661.85,15565 21638.8,15588.05 21638.8,15675.95 21674.85,15712 21879,15712 21914,15747 21914,15799.14 21934.86,15820 21989.14,15820 21992.14,15817 22032.13,15817 22072.13,15777 22162,15777 22219,15834 22219,15867.15 22298,15946.15 22298,15995 v1(22289,16004)
PCIE0_TX0_N: C3A3.2 | length 104.5
  TOP w4: v1(21312,15367) 21301,15378 21301,15392 21305,15396 C3A3.2@21317,15396
  BOTTOM w4: v1(21312,15367) 21312,15316.15 21316.57,15311.58
PCIE0_TX0_N_C: C3A3.1 U2A5.AD1 | length 2371.9
  TOP w4: v1(21313,15455) 21313,15435 C3A3.1@21317,15431 ; U2A5.AD1@22011.02,16213.93 22011.02,16200.43 22013.92,16197.53 22013.92,16177.63 22008,16171.71 22008,16157.71 22013.92,16151.79 22013.92,16142.79 22032.71,16124 22084.54,16124 22100,16108.54 22100,16103.63 22086.37,16090 v1(22082,16090)
  BOTTOM w4: v1(21313,15455) 21305,15455 21295,15445 21295,15424.15 21300.15,15419 21360,15419 21367.56,15426.56 21367.56,15432.54 21378.87,15443.85 21384.85,15443.85 21397,15456 21530.72,15456 21536.72,15462 21546.72,15462 21552.72,15456 21568,15456 21584.71,15439.29 21593.69,15439.29 21600.52,15432.46 21600.52,15423.48 21614,15410 21640.17,15410 21662.17,15432 21781.86,15432 21806,15456.14 21806,15508.92 21786.81,15528.11 21716.02,15528.11 21708.71,15520.8 21642.77,15520.8 21601.8,15561.77 21601.8,15689.95 21657.85,15746 21674.37,15746 21678.37,15750 21690.37,15750 21694.37,15746 21854,15746 21875,15767 21875,15834 21882.22,15841.22 21882.22,15851.22 21888.54,15857.54 21898.54,15857.54 21905,15864 21915.01,15874 22025.23,15874 22042.12,15857.11 22047.23,15852 22157,15852 22167,15862 22167,15876 22213.5,15922.5 22213.5,15929.5 22251,15967 22251,16004.27 22241.8,16013.47 22241.8,16029.77 22211.58,16059.99 22191,16059.99 22186.08,16055.07 22177.4,16055.07 22172.48,16059.99 22107.85,16059.99 22098,16069.84 22098,16079 22087,16090 v1(22082,16090)
PCIE0_TX0_P: C3A4.2 | length 102.7
  TOP w4: C3A4.2@21277,15396 21287,15396 21291,15392 21291,15378 v1(21280,15367)
  BOTTOM w4: v1(21280,15367) 21280,15316.65 21285.07,15311.58
PCIE0_TX0_P_C: C3A4.1 U2A5.AD3 | length 2378.8
  TOP w4: C3A4.1@21277,15431 21282,15436 v1(21282,15455) ; U2A5.AD3@22011.02,16243.26 22019.36,16222.95 22022.02,16218.79 22022.12,16218.69 22022.12,16204.15 22023.92,16202.35 22023.92,16146.94 22036.86,16134 22088.69,16134 22110,16112.69 v1(22110,16091)
  BOTTOM w4: v1(21282,15455) 21282,15445 21282.08,15445 21285,15442.08 21285,15420.01 21296.01,15409 21364.14,15409 21377.56,15422.42 21377.56,15428.4 21383.01,15433.85 21388.99,15433.85 21401.14,15446 21563.85,15446 21609.85,15400 21644.32,15400 21666.32,15422 21786,15422 21816,15452 21816,15513.06 21790.95,15538.11 21711.87,15538.11 21704.56,15530.8 21646.92,15530.8 21611.8,15565.92 21611.8,15685.8 21662,15736 21858.15,15736 21885,15762.85 21885,15829.85 21919.15,15864 22021.09,15864 22035.04,15850.04 22043.08,15842 22161.15,15842 22177,15857.85 22177,15871.85 22223.5,15918.35 22223.5,15925.35 22261,15962.85 22261,16008.42 22251.8,16017.62 22251.8,16033.92 22215.73,16069.99 22112,16069.99 22108,16073.99 22108,16089 v1(22110,16091)
PCIE_IRCOMP: R2A10.1 U2A5.AJ1 | length 192.1
  TOP w4.2: U2A5.AJ1@22087.03,16213.93 22087.03,16212.43 22101.8,16197.66 22101.8,16178.82 22104,16176.62 22122.31,16158.3 22128.93,16151.7 22130.7,16151.7 22184,16098.4 R2A10.1@22184,16063
PCIE_RBIAS: R2A8.2 U2A5.AJ3 | length 236.9
  TOP w4: U2A5.AJ3@22087.03,16243.26 22091.45,16238.84 22091.45,16232.51 22093.51,16227.52 22095.38,16222.95 22098.04,16218.79 22110,16206.83
  TOP w4.2: 22110,16206.83 22110,16182.22 22128.11,16164.11 22132.33,16159.9 22134.1,16159.9 22196.5,16097.5 22196.5,16090.5 R2A8.2@22224,16063
PD_CLK14: R3A20.1 U2A5.D9 | length 186.2
  TOP w4: R3A20.1@21526,16301 21543,16301 21563,16321 21591,16321 21607,16337 21638.14,16337 21648.17,16326.97 21648.25,16326.91 21652.05,16324.11 21654.69,16321.71 21660.99,16321.71 21664.14,16324.86 21665.7,16326.07 21674.6,16334.97 U2A5.D9@21685.82,16334.97
PG_3P3_S5_NU: R2A4.2 U2A3.9 | length 56.3
  TOP w4.2: R2A4.2@22501,15803 22518.1,15803 22518.79,15802.31 U2A3.9@22557,15802.31
PG_V1P0_S0: R4A2.2 U2A5.D2 U3A1.27 | length 3255.4
  TOP w4: 21651,16158 21694.88,16201.88 U2A5.D2@21694.88,16234.52
  TOP w4.2: 20172,15393 R4A2.2@20231,15393 20238,15386 v1(20238,15363) ; v1(20738,16436) 20732,16442 20732,16596 20741,16605 20769.19,16605 20775.47,16611.28 U3A1.27@20775.47,16634.88 ; v1(20784,16033.9) 20795.1,16033.9 20799,16030 21182,16030 21233,15979 21385,15979 21412,16006 21463,16006 21480,16023 21480,16048 21574,16142 21635,16142 21651,16158
  LYR_1 w6.5: v1(20238,15363) 20307,15432 20700,15432 20752,15484 20752,15521 20773,15542 20786,15542 20811,15567 20811,15623 20789,15645 20773,15645 20752,15666 20752,16001.9 v1(20784,16033.9)
  BOTTOM w4.2: v1(20738,16436) 20708,16406 20708,16284.13 20795.23,16196.9 20905.1,16196.9 20916,16186 20916,16094.94 20854.96,16033.9 v1(20784,16033.9)
PG_V1P0_S0_LED:  | length 77.9
  TOP w4.2: 20102,15409 20121,15428 20172,15428
PHY_RBIAS: R4B4.1 U4B1.24 | length 229.9
  TOP w4.2: 19822,17020.1 19809,17033.1 19808.9,17033.1 19747,17095 19747,17114 19766,17133 19818.85,17133 U4B1.24@19824.58,17138.73
  TOP w5: R4B4.1@19822,17003 19822,17020.1
PRDY_B: TP1.1 U2A5.E7 | length 54.2
  TOP w4.2: U2A5.E7@21707.04,16307.42 21707.04,16320.04 v1(21710,16323)
  BOTTOM w4.2: TP1.1@21678,16310 21691,16323 v1(21710,16323)
PREQ_B: R2L21.2 TP2.1 U2A5.B2 | length 229.9
  TOP w4.2: U2A5.B2@21665.53,16236.49 21665.53,16238.53 v1(21676,16249)
  BOTTOM w4.2: R2L21.2@21670,16060 21670,16082 21702,16114 TP2.1@21702,16190 21676,16216 v1(21676,16249)